# Altium PCB Control_PCB_v1.0.PcbDoc (part 2 of 2)
Units mm, origin at the board's own origin, x right, y up, seen from the top; angles counter-clockwise.
Board outline 114 x 86 mm, 4 copper layers (Top Layer, Internal Plane 1, Internal Plane 2, Bottom Layer), stack 1.572 mm thick; 154 components, 155 nets, 637 pads, 254 vias.
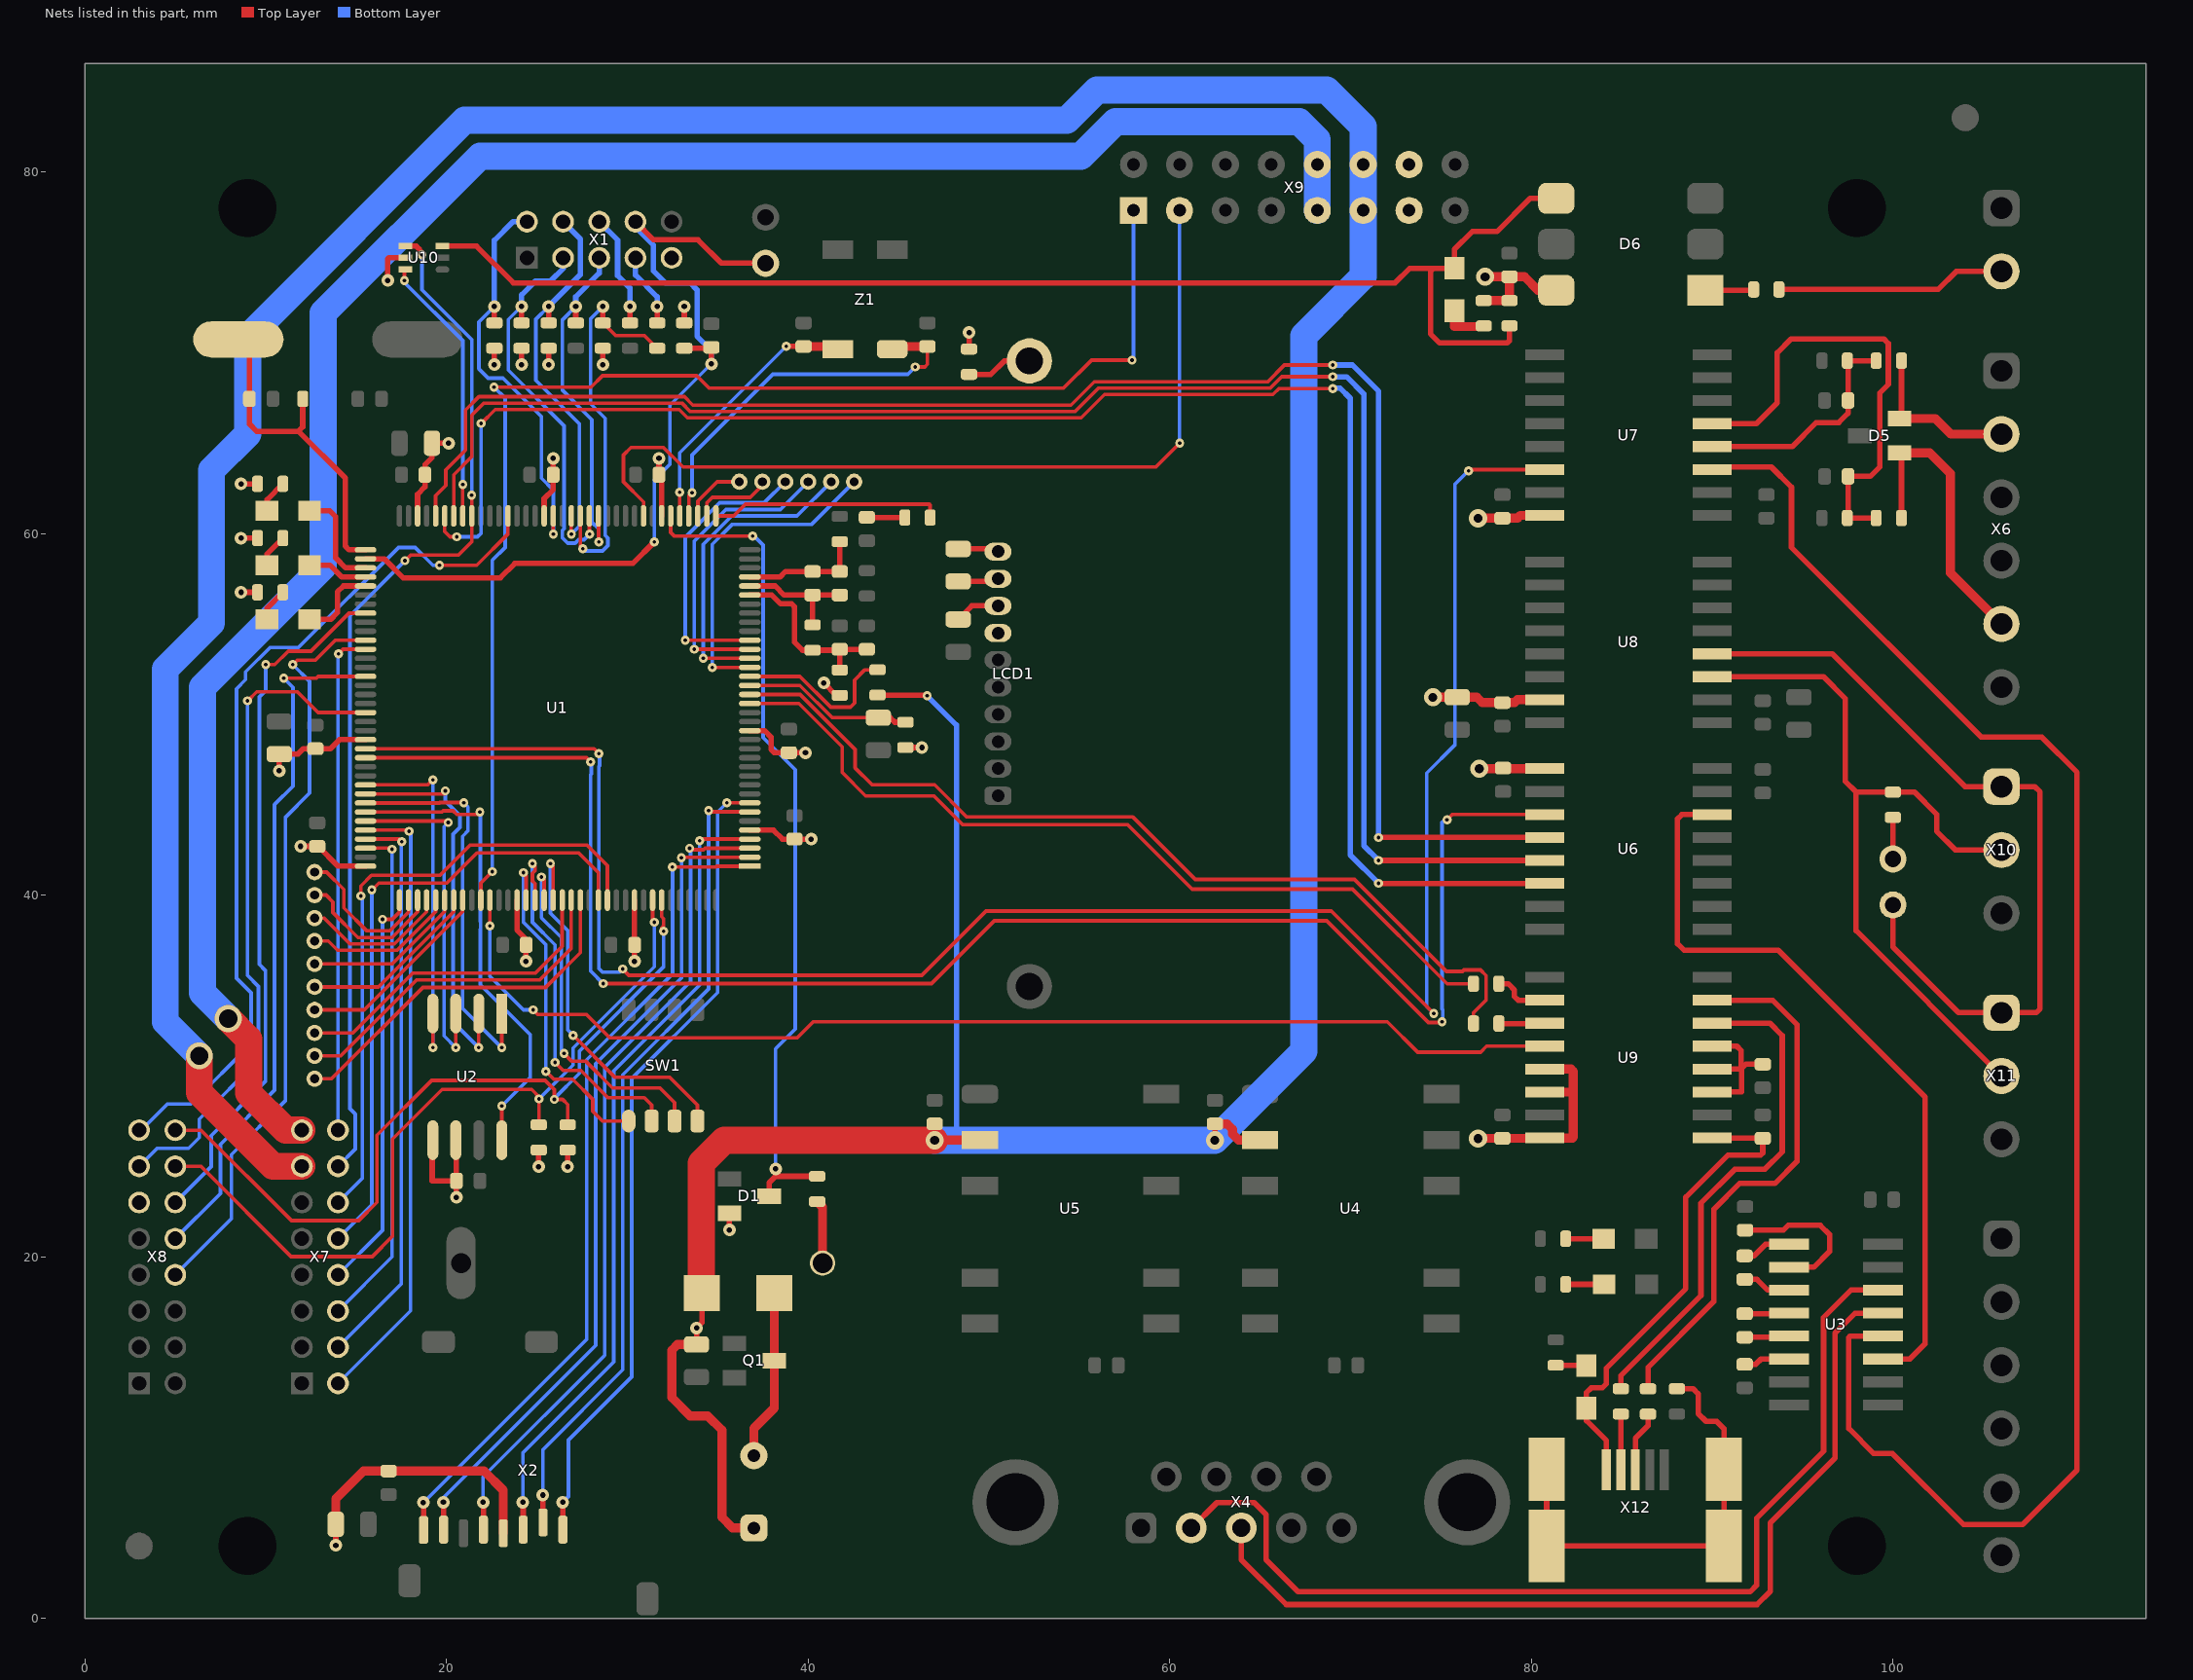
[diagram p4: the nets of this part, all layers, seen from the top]

## Via types
v1: diameter 0.5, hole 0.2, Top Layer to Bottom Layer, tented both sides, 122 vias
v2: diameter 0.7, hole 0.3, Top Layer to Bottom Layer, tented both sides, 100 vias
v3: diameter 1, hole 0.5, Top Layer to Bottom Layer, tented both sides, 14 vias
v4: diameter 0.9, hole 0.5, Top Layer to Bottom Layer, tented both sides, 8 vias
v5: diameter 1.5, hole 1, Top Layer to Bottom Layer, tented both sides, 6 vias
v6: diameter 1.5, hole 1, Top Layer to Bottom Layer, 4 vias

## Nets (pads, with @x,y where several pads share a name; then routed paths per layer and width w, separated by ;. In a path a pad name is that pad's centre, name@x,y a point inside that pad or via, vN(x,y) a via of type N, cw(c..) or ccw(c..) an arc to the next point about the centre after c; other vN are vias at no path point) (continued)
JTAG_TCLK: R11.1 U1.50 X1.5 | length 19.9
  Top Layer w0.2: R11.1@27.15,71.509 R11.1@27.15,71.65 ; U1.50@28.4,60.975 28.415,60.96 28.415,59.546 v1(28.423,59.538)
  Top Layer w0.3: R11.1@27.15,71.65 v2(27.15,72.564)
  Bottom Layer w0.2: v2(27.15,72.564) 26.416,71.83 26.416,67.92 28.042,66.294 28.042,60.63 28.423,60.249 v1(28.423,59.538)
  Bottom Layer w0.3: v2(27.15,72.564) 27.15,73.099 28.45,74.399 X1.5@28.45,75.25
JTAG_TDI: R5.2 U1.51 X1.3 | length 22.3
  Top Layer w0.2: U1.51@27.9,60.975 27.9,59.977 27.908,59.969 v1(27.915,59.969)
  Top Layer w0.3: R5.2@24.15,71.65 v2(24.15,72.564)
  Bottom Layer w0.2: v2(24.15,72.564) 23.419,71.833 23.419,69.037 26.5,65.956 26.5,60.269 26.408,60.177 26.408,59.762 26.701,59.469 27.115,59.469 27.302,59.657 27.602,59.657 v1(27.915,59.969)
  Bottom Layer w0.3: v2(24.15,72.564) 24.15,73.197 24.917,73.965 25.756,73.965 26.45,74.659 X1.3@26.45,75.25
JTAG_TDO: R3.1 R9.2 U1.52 | length 21.8
  Top Layer w0.2: U1.52@27.4,60.975 27.408,60.967 27.408,59.282 v1(27.534,59.157) ; R9.2@28.65,71.65 29.35,70.95 30.95,70.95 R3.1@31.65,70.25
  Top Layer w0.3: R9.2@28.65,71.65 v2(28.65,72.564)
  Bottom Layer w0.2: v1(27.534,59.157) 27.653,59.038 28.63,59.038 28.923,59.33 28.923,59.745 28.773,59.895 28.773,66.376 27.965,67.183 27.965,71.879 v2(28.65,72.564)
JTAG_TMS: R7.2 U1.53 X1.4 | length 21.8
  Top Layer w0.2: U1.53@26.9,60.975 26.9,59.977 v1(26.908,59.969)
  Top Layer w0.3: R7.2@25.65,71.65 v2(25.65,72.564)
  Bottom Layer w0.2: v2(25.65,72.564) 24.943,71.857 24.943,68.478 27.356,66.065 27.356,60.417 v1(26.908,59.969)
  Bottom Layer w0.3: v2(25.65,72.564) 27.407,74.321 27.407,76.293 X1.4@26.45,77.25
JTAG_TRST: R2.2 U1.55 X1.2 | length 22.9
  Top Layer w0.2: U1.55@25.9,60.975 25.9,59.977 v1(25.908,59.969)
  Top Layer w0.3: R2.2@22.65,71.65 v2(22.65,72.564)
  Bottom Layer w0.2: v2(22.65,72.564) 21.793,71.707 21.793,69.113 22.309,68.597 23.122,68.597 25.248,66.472 25.248,63.068 25.908,62.408 v1(25.908,59.969)
  Bottom Layer w0.3: v2(22.65,72.564) 22.65,76.219 23.681,77.25 X1.2@24.45,77.25
NetB1_2: B1.2 R1.2 | length 3.5
  Top Layer w0.5: R1.2@40.5,23.05 40.8,22.75 B1.2@40.8,19.65
NetBZ1_2: BZ1.2 Q1.3 VD1.A | length 9.5
  Top Layer w0.5: BZ1.2@37,9 37,10.508 38.127,11.635 Q1.3@38.127,14.25 VD1.A@38.127,18
NetC5_1: C5.1 C10.1 L1.2 L2.1 U1.31 | length 10.1
  Top Layer w0.3: U1.31@36.775,56.6 37.99,56.6 38.481,56.109 39.091,56.109 39.243,55.956 39.243,54 39.693,53.55 L2.1@40.25,53.55 41.7,53.55 C10.1@41.75,53.6 ; L1.2@41.75,52.45 C10.1@41.75,53.6 ; C5.1@43.25,53.6 C10.1@41.75,53.6
NetC6_1: C6.1 C11.1 L3.2 U1.33 | length 6.7
  Top Layer w0.3: U1.33@36.775,57.6 38.448,57.6 38.748,57.9 C11.1@40.25,57.9 C6.1@41.75,57.9 L3.2@41.75,59.55
NetC6_2: C6.2 C11.2 L2.2 U1.32 | length 6.8
  Top Layer w0.3: U1.32@36.775,57.1 38.175,57.1 38.675,56.6 C11.2@40.25,56.6 ; L2.2@40.25,54.95 C11.2@40.25,56.6 ; C6.2@41.75,56.6 C11.2@40.25,56.6
NetC7_1: C7.1 R10.1 | length 2.1
  Top Layer w0.3: C7.1@43.25,60.9 43.266,60.884 R10.1@45.35,60.884
NetC8_1: C8.1 U1.40 Z1.1 | length 21.5
  Top Layer w0.2: U1.40@33.4,60.975 33.4,62.077 v1(33.579,62.255) ; v1(45.923,69.215) 46.457,69.215 46.6,69.358 C8.1@46.6,70.35
  Top Layer w0.5: Z1.1@44.65,70.2 44.8,70.35 C8.1@46.6,70.35
  Bottom Layer w0.2: v1(33.579,62.255) 33.579,64.338 38.049,68.809 45.517,68.809 v1(45.923,69.215)
NetC9_1: C9.1 U1.41 Z1.4 | length 14.8
  Top Layer w0.2: v1(32.893,62.281) 32.893,60.982 U1.41@32.9,60.975
  Top Layer w0.3: v1(38.786,70.358) 38.794,70.35 C9.1@39.75,70.35
  Top Layer w0.5: C9.1@39.75,70.35 41.5,70.35 Z1.4@41.65,70.2
  Bottom Layer w0.2: v1(32.893,62.281) 32.893,64.465 v1(38.786,70.358)
NetC12_1: C12.1 R6.1 U1.21 | length 9.5
  Top Layer w0.2: U1.21@36.775,51.6 39.548,51.6 41.331,49.816 C12.1@43.884,49.816
  Top Layer w0.3: C12.1@43.884,49.816 44.545,49.816 44.795,49.566 R6.1@45.384,49.566
NetC28_2: C28.2 R21.1 R23.2 U7.5 | length 26.3
  Top Layer w0.3: U7.5@90,66.08 92.445,66.08 93.599,67.234 93.599,70.002 94.361,70.764 99.492,70.764 99.746,70.51 99.746,68.25 99.263,67.767 99.263,63.678 98.747,63.161 C28.2@97.518,63.161 97.518,60.906 R23.2@97.473,60.861 R21.1@99.073,60.861
NetC29_2: C29.2 R20.1 R24.2 U7.4 | length 12.8
  Top Layer w0.3: U7.4@90,64.81 94.426,64.81 95.758,66.142 97.003,66.142 97.518,66.657 C29.2@97.518,67.361 97.518,69.516 R24.2@97.473,69.561 R20.1@99.073,69.561
NetC30_1: C30.1 U3.2 | length 8.5
  Top Layer w0.3: C30.1@91.821,21.473 93.94,21.473 94.209,21.742 95.987,21.742 96.495,21.234 96.495,20.295 95.625,19.425 U3.2@94.25,19.425
NetC31_2: C31.2 U3.6 | length 2.6
  Top Layer w0.3: C31.2@91.8,14.05 92.409,14.05 92.704,14.345 U3.6@94.25,14.345
NetC33_1: C33.1 U3.3 | length 2.7
  Top Layer w0.3: C33.1@91.8,18.75 92.477,18.75 93.072,18.155 U3.3@94.25,18.155
NetC33_2: C33.2 U3.1 | length 2.7
  Top Layer w0.3: C33.2@91.8,20.05 92.313,20.05 92.958,20.695 U3.1@94.25,20.695
NetC34_1: C34.1 U3.5 | length 2.4
  Top Layer w0.3: C34.1@91.8,15.55 U3.5@94.185,15.55
NetC34_2: C34.2 U3.4 | length 2.5
  Top Layer w0.3: C34.2@91.8,16.85 94.215,16.85 U3.4@94.25,16.885
NetC47_2: C47.2 LCD1.8 | length 2.5
  Top Layer w0.3: C47.2@48.3,55.25 49.05,56 LCD1.8@50.5,56
NetC48_1: C48.1 LCD1.9 | length 2.3
  Top Layer w0.3: C48.1@48.3,57.35 50.35,57.35 LCD1.9@50.5,57.5
NetC48_2: C48.2 LCD1.10 | length 2.3
  Top Layer w0.3: C48.2@48.3,59.15 50.35,59.15 LCD1.10@50.5,59
NetC50_1: C50.1 D10.1 U9.1 X12.1 | length 27
  Top Layer w0.3: X12.1@84.15,8.225 84.15,9.83 83.05,10.93 D10.1@83.05,11.625 83.05,12.489 83.312,12.751 83.922,12.751 84.15,12.979 84.15,13.843 88.544,18.237 88.544,23.292 90.881,25.629 92.685,25.629 92.8,25.744 C50.1@92.8,26.55 92.78,26.57 U9.1@90,26.57
NetC51_1: C51.1 U9.3 U9.4 U9.5 | length 8.5
  Top Layer w0.3: U9.3@90,29.11 91.619,29.11 91.619,30.355 91.594,30.38 ; U9.4@90,30.38 91.594,30.38 ; U9.5@90,31.65 91.362,31.65 91.594,31.418 91.594,30.38 ; C51.1@92.8,30.65 91.864,30.65 91.594,30.38
NetD1_3: D1.3 R1.1 U1.42 | length 46
  Top Layer w0.2: U1.42@32.4,60.975 32.4,60.056 32.588,59.868 v1(36.932,59.868)
  Top Layer w0.3: D1.3@37.85,23.35 37.85,24.1 38.2,24.45 38.2,24.865 v2(38.202,24.867) ; 38.202,24.45 R1.1@40.5,24.45
  Bottom Layer w0.2: v1(36.932,59.868) 37.008,59.868 37.516,59.36 37.516,48.717 39.294,46.939 39.294,32.588 38.202,31.496 v2(38.202,24.867)
NetD2_1: D2.1 R16.2 | length 1.9
  Top Layer w0.3: D2.1@10.075,61.25 10.075,61.875 R16.2@10.95,62.75
NetD2_2: D2.2 U1.75 | length 5.7
  Top Layer w0.3: D2.2@12.425,61.25 13.553,61.25 13.868,60.935 13.868,58.649 14.417,58.1 U1.75@15.525,58.1
NetD3_1: D3.1 R17.2 | length 1.9
  Top Layer w0.3: D3.1@10.075,58.25 10.075,58.875 R17.2@10.95,59.75
NetD3_2: D3.2 U1.76 | length 3.4
  Top Layer w0.3: D3.2@12.425,58.25 13.556,58.25 14.206,57.6 U1.76@15.525,57.6
NetD4_1: D4.1 R18.2 | length 1.9
  Top Layer w0.3: D4.1@10.075,55.25 10.075,55.875 R18.2@10.95,56.75
NetD4_2: D4.2 U1.77 | length 4.5
  Top Layer w0.3: D4.2@12.425,55.25 13.594,55.25 13.97,55.626 13.97,56.769 14.301,57.1 U1.77@15.525,57.1
NetD5_1: D5.1 R21.2 X6.5 | length 16.4
  Top Layer w0.3: D5.1@100.373,64.461 100.473,64.361 R21.2@100.473,60.861
  Top Layer w0.5: D5.1@100.373,64.461 102.036,64.461 103.175,63.322 103.175,57.825 X6.5@106,55
NetD5_2: D5.2 R20.2 X6.2 | length 9.2
  Top Layer w0.3: D5.2@100.373,66.361 100.473,66.461 R20.2@100.473,69.561
  Top Layer w0.5: D5.2@100.373,66.361 102.346,66.361 103.207,65.5 X6.2@106,65.5
NetD6_1: D6.1 R19.1 | length 2.7
  Top Layer w0.3: D6.1@89.625,73.46 92.26,73.46 R19.1@92.3,73.5
NetD6_4: D6.4 D9.2 R26.2 U10.3 | length 74.2
  Top Layer w0.3: U10.3@19.775,75.9 21.661,75.9 23.698,73.863 72.466,73.863 73.278,74.675 74.599,74.675 ; R26.2@78.791,71.487 78.791,70.663 78.664,70.536 74.93,70.536 74.422,71.044 74.422,74.498 74.599,74.675 ; D6.4@81.375,78.54 79.937,78.54 78.105,76.708 76.733,76.708 75.75,75.725 D9.2@75.75,74.675 74.599,74.675
NetD7_2: D7.2 R22.2 | length 2.1
  Top Layer w0.3: R22.2@81.903,18.475 D7.2@84.028,18.475
NetD8_2: D8.2 R25.2 | length 2.2
  Top Layer w0.3: R25.2@81.778,21 D8.2@84.003,21
NetD9_1: D9.1 R27.2 | length 2.5
  Top Layer w0.5: D9.1@75.75,72.325 75.75,71.443 77.325,71.443 R27.2@77.368,71.487
NetD10_2: D10.2 R34.2 | length 1.7
  Top Layer w0.3: R34.2@81.35,14 83.025,14 D10.2@83.05,13.975
NetJ2_1: J2.1 R33.1 | length 2.3
  Top Layer w0.3: J2.1@100,42 R33.1@100,44.3
NetJ2_2: J2.2 U8.12 X10.1 X11.1 | length 45.4
  Top Layer w0.3: U8.12@90,53.35 96.637,53.35 103.987,46 X10.1@106,46 107.848,46 108.134,45.714 108.134,33.712 107.922,33.5 X11.1@106,33.5 103.635,33.5 100,37.135 J2.2@100,39.46
NetL5_2: L5.2 X12.S1 X12.S2 X12.S3 X12.S4 | length 24.7
  Top Layer w0.3: X12.S1@80.85,8.25 X12.S2@80.85,4 X12.S3@90.65,4 X12.S4@90.65,8.25 90.65,10.493 90.246,10.897 89.662,10.897 89.23,11.328 89.23,12.421 88.951,12.7 L5.2@88.05,12.7
NetLCD1_11: LCD1.11 R32.1 | length 3.6
  Top Layer w0.3: R32.1@48.9,68.8 50.106,68.8 50.856,69.55 LCD1.11@52.238,69.55
NetR3_2: R3.2 X1.7 | length 4.1
  Top Layer w0.3: R3.2@31.65,71.65 v2(31.65,72.564)
  Bottom Layer w0.3: X1.7@30.45,75.25 30.45,74.3 31.65,73.1 v2(31.65,72.564)
NetR8_1: R8.1 X1.6 | length 6.3
  Top Layer w0.3: R8.1@30.15,71.65 v2(30.15,72.564)
  Bottom Layer w0.3: X1.6@28.45,77.25 29.464,76.236 29.464,74.27 30.15,73.584 v2(30.15,72.564)
NetR10_2: R10.2 U1.37 | length 12.8
  Top Layer w0.2: U1.37@34.9,60.975 35.88,60.975 36.525,61.62 46.711,61.62 46.75,61.581 R10.2@46.75,60.884
NetR12_1: R12.1 U1.22 | length 9.4
  Top Layer w0.2: U1.22@36.775,52.1 39.543,52.1 41.249,50.394 42.342,50.394 42.57,50.622 42.57,51.892 43.143,52.465 R12.1@43.84,52.465
NetR19_2: R19.2 X3.2 | length 12.7
  Top Layer w0.3: R19.2@93.7,73.5 102.5,73.5 103.5,74.5 X3.2@106,74.5
NetR28_1: R28.1 U9.11 | length 2.5
  Top Layer w0.3: R28.1@78.2,32.9 U9.11@80.73,32.9
NetR29_2: R29.2 U9.10 | length 3.1
  Top Layer w0.3: R29.2@78.2,35.1 78.717,35.1 79.07,34.747 79.07,34.392 79.272,34.19 U9.10@80.75,34.19
NetR30_1: R30.1 X12.2 | length 3.1
  Top Layer w0.3: X12.2@84.95,8.225 R30.1@84.95,11.3
NetR30_2: R30.2 U9.6 | length 28.4
  Top Layer w0.3: R30.2@84.95,12.7 84.95,13.424 89.383,17.856 89.383,22.962 91.262,24.841 92.913,24.841 93.878,25.806 93.878,32.233 93.191,32.92 U9.6@90,32.92
NetR31_1: R31.1 U9.7 | length 30
  Top Layer w0.3: R31.1@86.45,12.7 86.45,13.882 90.094,17.526 90.094,22.631 91.516,24.054 93.472,24.054 94.691,25.273 94.691,32.842 93.343,34.19 U9.7@90,34.19
NetR31_2: R31.2 X12.3 | length 3.4
  Top Layer w0.3: X12.3@85.75,8.225 85.75,9.956 86.45,10.656 R31.2@86.45,11.3
NetR33_2: R33.2 U8.11 X10.2 X11.2 | length 42.2
  Top Layer w0.3: U8.11@90,52.08 96.154,52.08 97.358,50.876 97.358,46.304 97.962,45.7 ; X11.2@106,30 97.962,38.038 97.962,45.7 ; X10.2@106,42.5 103.448,42.5 102.413,43.536 102.413,44.475 101.188,45.7 R33.2@100,45.7 97.962,45.7
NetSW1_1: SW1.1 U1.123 | length 19.2
  Top Layer w0.2: v1(24.25,41.25) 24.4,41.1 U1.123@24.4,39.725 ; v1(25.5,30.25) 25.93,29.82 26.975,29.82 28.092,28.702 28.092,28.042 28.627,27.507 SW1.1@30.074,27.507
  Bottom Layer w0.2: v1(24.25,41.25) 24.25,38.5 25.5,37.25 v1(25.5,30.25)
NetSW1_2: SW1.2 U1.124 | length 20.9
  Top Layer w0.2: v1(24.75,41.75) 24.9,41.6 24.9,41.357 24.75,41.207 24.75,40.793 24.9,40.643 U1.124@24.9,39.725 ; v1(26,30.75) 26.448,30.302 27.432,30.302 28.931,28.804 30.937,28.804 31.344,28.397 SW1.2@31.344,27.507
  Bottom Layer w0.2: v1(24.75,41.75) 24.75,38.5 26,37.25 v1(26,30.75)
NetSW1_3: SW1.3 U1.125 | length 19.9
  Top Layer w0.2: v1(25.25,41) 25.4,40.85 U1.125@25.4,39.725 ; v1(26.5,31.25) 26.94,30.81 27.711,30.81 29.185,29.337 31.801,29.337 32.614,28.524 SW1.3@32.614,27.507
  Bottom Layer w0.2: v1(25.25,41) 25.25,38.75 26.351,37.649 26.351,31.399 v1(26.5,31.25)
NetSW1_4: SW1.4 U1.126 | length 21.5
  Top Layer w0.2: v1(25.75,41.75) 25.9,41.6 U1.126@25.9,39.725 ; v1(27,32.25) 29.329,29.921 32.36,29.921 33.884,28.397 SW1.4@33.884,27.507
  Bottom Layer w0.2: v1(25.75,41.75) 25.75,39 26.701,38.049 26.701,32.549 v1(27,32.25)
NetTP1_1: TP1.1 U1.110 | length 8.2
  Top Layer w0.2: TP1.1@12.7,41.275 13.365,41.275 14.32,40.32 14.32,39.299 15.596,38.024 16.854,38.024 17.9,39.07 U1.110@17.9,39.725
NetTP2_1: TP2.1 U1.111 | length 8.3
  Top Layer w0.2: TP2.1@12.7,40.005 13.335,40.005 13.716,39.624 13.716,39.04 15.099,37.657 16.982,37.657 18.4,39.075 U1.111@18.4,39.725
NetTP3_1: TP3.1 U1.112 | length 8.2
  Top Layer w0.2: TP3.1@12.7,38.735 13.233,38.735 14.661,37.307 17.127,37.307 18.9,39.08 U1.112@18.9,39.725
NetTP4_1: TP4.1 U1.113 | length 8.4
  Top Layer w0.2: TP4.1@12.7,37.465 13.462,37.465 13.97,36.957 17.272,36.957 19.4,39.085 U1.113@19.4,39.725
NetTP5_1: TP5.1 U1.114 | length 9
  Top Layer w0.2: TP5.1@12.7,36.195 17.005,36.195 19.9,39.09 U1.114@19.9,39.725
NetTP6_1: TP6.1 U1.115 | length 10.1
  Top Layer w0.2: TP6.1@12.7,34.925 16.23,34.925 20.4,39.095 U1.115@20.4,39.725
NetTP7_1: TP7.1 U1.116 | length 11.1
  Top Layer w0.2: TP7.1@12.7,33.655 15.455,33.655 20.887,39.087 U1.116@20.887,39.712
NetTP8_1: TP8.1 U1.38 | length 4.4
  Top Layer w0.2: U1.38@34.4,60.975 34.4,61.7 34.7,62 36.8,62 37.465,62.665 TP8.1@37.465,62.865
NetTP9_1: TP9.1 U1.39 | length 3.6
  Top Layer w0.2: U1.39@33.9,60.975 33.9,61.8 34.965,62.865 TP9.1@36.195,62.865
NetTP10_1: TP10.1 U1.127 | length 18.2
  Top Layer w0.2: TP10.1@12.7,32.385 14.834,32.385 18.136,35.687 24.917,35.687 26.4,37.17 U1.127@26.4,39.725
NetTP11_1: TP11.1 U1.128 | length 19.3
  Top Layer w0.2: TP11.1@12.7,31.115 14.148,31.115 18.339,35.306 25.146,35.306 26.9,37.06 U1.128@26.9,39.725
NetTP12_1: TP12.1 U1.129 | length 20.5
  Top Layer w0.2: TP12.1@12.7,29.845 13.64,29.845 18.694,34.9 25.476,34.9 27.4,36.823 U1.129@27.4,39.725
NetTP13_1: TP13.1 U1.23 | length 18.2
  Top Layer w0.2: v1(34.7,52.6) U1.23@36.775,52.6
  Bottom Layer w0.2: v1(34.7,52.6) 34.7,59.407 35.793,60.5 40.18,60.5 TP13.1@42.545,62.865
NetTP14_1: TP14.1 U1.24 | length 17.4
  Top Layer w0.2: v1(34.2,53.1) U1.24@36.775,53.1
  Bottom Layer w0.2: v1(34.2,53.1) 34.2,59.402 35.773,60.975 39.385,60.975 TP14.1@41.275,62.865
NetTP15_1: TP15.1 U1.25 | length 16.7
  Top Layer w0.2: v1(33.7,53.6) U1.25@36.775,53.6
  Bottom Layer w0.2: v1(33.7,53.6) 33.7,59.575 35.45,61.325 38.465,61.325 TP15.1@40.005,62.865
NetTP16_1: TP16.1 U1.26 | length 16.1
  Top Layer w0.2: v1(33.2,54.1) U1.26@36.775,54.1
  Bottom Layer w0.2: v1(33.2,54.1) 33.2,59.8 35.1,61.7 37.57,61.7 TP16.1@38.735,62.865
NetU3_11: U3.11 U6.14 | length 42.4
  Top Layer w0.3: U6.14@90,44.46 88.326,44.46 88.087,44.221 88.087,37.313 88.443,36.957 93.65,36.957 101.778,28.829 101.778,15.189 100.934,14.345 U3.11@99.45,14.345
NetU3_12: U3.12 U7.3 | length 90.8
  Top Layer w0.3: U7.3@90,63.54 90.142,63.682 93.269,63.682 94.386,62.565 94.386,59.233 104.877,48.743 108.229,48.743 110.185,46.787 110.185,8.204 107.163,5.182 103.911,5.182 99.974,9.119 98.933,9.119 97.554,10.497 97.554,15.538 97.632,15.615 U3.12@99.45,15.615
NetU3_13: U3.13 X4.3 | length 51.2
  Top Layer w0.3: X4.3@63.96,5 63.96,3.248 66.446,0.762 92.481,0.762 93.218,1.499 93.218,5.283 96.799,8.865 96.799,15.773 97.911,16.885 U3.13@99.45,16.885
NetU3_14: U3.14 X4.2 | length 55.8
  Top Layer w0.3: X4.2@61.19,5 61.21,5 62.611,6.401 64.668,6.401 65.329,5.74 65.329,3.251 67.107,1.473 92.1,1.473 92.456,1.829 92.456,5.537 96.164,9.246 96.164,16.637 97.682,18.155 U3.14@99.45,18.155
NTC_BYPASS: U1.118 X9.1 | length 74
  Top Layer w0.2: U1.118@21.9,39.725 21.9,40.671 v1(22.53,41.3) ; v1(22.631,68.097) 27.991,68.097 28.626,68.732 33.833,68.732 34.515,68.05 54.131,68.05 55.677,69.596 v1(57.912,69.596)
  Bottom Layer w0.2: v1(22.53,41.3) 22.53,58.522 23.241,59.233 23.241,67.488 v1(22.631,68.097) ; v1(57.912,69.596) 58,69.684 X9.1@58,77.87
OUT1: U1.68 U6.4 | length 92.9
  Top Layer w0.2: U1.68@19.4,60.975 19.4,62.097 19.964,62.662 19.964,63.525 21.057,64.618 21.057,66.827 21.798,67.569 33.16,67.569 33.622,67.107 54.534,67.107 55.826,68.399 65.421,68.399 66.343,69.321 v1(69.012,69.321)
  Top Layer w0.3: v1(71.552,43.19) U6.4@80.75,43.19
  Bottom Layer w0.3: v1(69.012,69.321) 70.099,69.321 71.552,67.869 v1(71.552,43.19)
OUT2: U1.66 U6.5 | length 92.3
  Top Layer w0.2: U1.66@20.4,60.975 20.4,63.25 21.407,64.256 21.407,66.542 22.081,67.216 33.014,67.216 33.476,66.754 54.766,66.754 56.058,68.046 65.567,68.046 66.192,68.671 v1(69.012,68.671)
  Top Layer w0.3: v1(71.552,41.92) U6.5@80.75,41.92
  Bottom Layer w0.3: v1(69.012,68.671) 69.784,68.671 70.739,67.716 70.739,42.733 v1(71.552,41.92)
OUT3: U1.67 U6.6 | length 95.3
  Top Layer w0.2: U1.67@19.9,60.975 19.9,60.11 20.193,59.817 v1(20.574,59.817) ; v1(21.92,66.091) 22.693,66.864 32.868,66.864 33.33,66.402 55.099,66.402 56.391,67.694 65.713,67.694 66.04,68.021 v1(69.012,68.021)
  Top Layer w0.3: v1(71.552,40.65) U6.6@80.75,40.65
  Bottom Layer w0.2: v1(20.574,59.817) 21.717,59.817 21.92,60.02 v1(21.92,66.091)
  Bottom Layer w0.3: v1(69.012,68.021) 69.037,68.047 69.418,68.047 69.987,67.478 69.987,42.215 v1(71.552,40.65)
PWM_EN: U1.65 U10.6 | length 15
  Top Layer w0.2: v1(17.678,73.99) 17.678,74.553 U10.6@17.725,74.6 ; U1.65@20.9,60.975 20.887,60.988 20.887,62.695 v1(20.904,62.713)
  Bottom Layer w0.2: v1(17.678,73.99) 17.678,73.889 20.904,70.663 v1(20.904,62.713)
PWM_OE: U1.64 U10.4 X7.14 | length 57.7
  Top Layer w0.2: v1(17.704,58.496) 18.017,58.809 20.658,58.809 21.4,59.551 U1.64@21.4,60.975 21.4,62.115 v1(21.387,62.128) ; 18.492,75.739 18.644,75.588 v1(18.644,75.413)
  Top Layer w0.3: U10.4@17.725,75.9 18.332,75.9 18.492,75.739
  Bottom Layer w0.2: X7.14@14,25 14.961,25.961 14.961,27.889 14.656,28.194 14.656,55.448 v1(17.704,58.496) ; v1(18.644,75.413) 18.644,73.482 21.404,70.722 21.404,62.146 v1(21.387,62.128)
RESET: C4.1 J1.1 R4.2 U1.74 X1.8 | length 49.4
  Top Layer w0.3: U1.74@15.525,58.6 16.559,58.6 17.602,57.556 22.987,57.556 23.774,58.344 30.302,58.344 v1(31.496,59.538) ; X1.8@30.45,77.25 31.449,76.251 33.909,76.251 35.21,74.95 J1.1@37.65,74.95 ; R4.2@33.15,70.25 34.6,70.25 C4.1@34.65,70.3 v2(34.65,69.386)
  Bottom Layer w0.2: v1(31.496,59.538) 31.496,62.971 32.36,63.835 32.36,67.096 v2(34.65,69.386)
  Bottom Layer w0.3: X1.8@30.45,77.25 30.45,76.941 31.445,75.946 31.445,74.524 32.106,73.863 33.477,73.863 33.858,73.482 33.858,70.917 34.65,70.125 v2(34.65,69.386)
SCL: R14.2 U1.137 X8.14 | length 44.4
  Top Layer w0.2: X8.14@5,25 6.42,25 11.405,20.015 15.9,20.015 17.018,21.133 17.018,26.507 19.761,29.25 24.714,29.25 v1@25.121,28.844 ; R14.2@25.1,27.3 25.121,27.321 v1(25.121,28.727) ; U1.137@31.4,39.725 31.4,38.6 v1(31.5,38.5)
  Bottom Layer w0.2: v1(25.121,28.727) 27,30.607 27,31.543 31.5,36.043 v1(31.5,38.5)
SD_CLK: U1.3 X2.5 | length 45.9
  Top Layer w0.2: v1(33.452,42.596) 33.535,42.513 34.207,42.513 34.29,42.596 36.771,42.596 U1.3@36.775,42.6
  Top Layer w0.3: X2.5@22.041,4.909 v2@22.041,6.407
  Bottom Layer w0.2: v2(22.026,6.421) 22.026,7.828 28.75,14.551 28.75,30.481 33.5,35.231 33.5,42.598 33.454,42.598 v1(33.452,42.596)
SD_CMD: U1.4 X2.3 | length 44.9
  Top Layer w0.2: v1(34,43.013) 34.087,43.1 U1.4@36.775,43.1
  Top Layer w0.3: X2.3@24.241,4.909 v2@24.241,6.407
  Bottom Layer w0.2: v2(24.226,6.421) 24.226,9.164 29.25,14.188 29.25,30.274 34,35.024 v1(34,43.013)
SD_D0: U1.2 X2.7 | length 46.4
  Top Layer w0.2: v1(32.995,42.062) 33.028,42.096 36.771,42.096 U1.2@36.737,42.062
  Top Layer w0.3: X2.7@19.841,4.909 v2@19.841,6.407
  Bottom Layer w0.2: v2(19.826,6.421) 19.826,6.669 28.25,15.093 28.25,30.688 33,35.438 33,42.057 v1(32.995,42.062)
SD_D1: U1.1 X2.8 | length 46.7
  Top Layer w0.2: v1(32.488,41.554) 34.9,41.554 34.945,41.6 U1.1@36.775,41.6
  Top Layer w0.3: v2(18.72,6.405) 18.735,6.39 X2.8@18.735,4.893
  Bottom Layer w0.2: v2(18.72,6.405) 27.75,15.435 27.75,30.895 32.5,35.645 32.5,41.542 v1(32.488,41.554)
SD_D2: U1.8 X2.1 | length 45.2
  Top Layer w0.2: v1(35.509,45.11) 36.765,45.11 U1.8@36.775,45.1
  Top Layer w0.3: X2.1@26.441,4.909 v2@26.441,6.407
  Bottom Layer w0.2: v2(26.426,6.421) 26.75,6.745 26.75,9.859 30.25,13.359 30.25,29.859 35,34.609 35,44.601 v1(35.509,45.11)
SD_D3: U1.7 X2.2 | length 45.5
  Top Layer w0.2: v1(34.493,44.679) 34.561,44.61 36.765,44.61 U1.7@36.775,44.6
  Top Layer w0.3: X2.2@25.341,5.309 v2@25.341,6.807
  Bottom Layer w0.2: v2(25.326,6.821) 25.326,9.326 29.75,13.75 29.75,30.066 34.5,34.816 34.5,44.672 v1(34.493,44.679)
SDA: R15.2 U1.138 X8.16 | length 44.8
  Top Layer w0.2: X8.16@5,27 6.426,27 11.43,21.996 15.138,21.996 16.154,23.012 16.154,26.727 19.177,29.75 25.451,29.75 25.959,29.242 v1(25.959,28.702) 26.416,28.702 26.7,28.418 R15.2@26.7,27.3 ; U1.138@31.9,39.725 31.9,38.807 32,38.707 32,38.293 31.9,38.193 31.9,38.1 v1(32,38)
  Bottom Layer w0.2: v1(25.959,28.702) 25.959,28.759 27.35,30.15 27.35,31.375 32,36.025 v1(32,38)
SPI2_CLK: U1.100 U2.2 | length 21.7
  Top Layer w0.2: U1.100@15.525,45.6 19.921,45.6 19.939,45.618 v1(19.939,45.771) ; v1(21.785,31.564) U2.2@21.785,33.45
  Bottom Layer w0.2: v1(19.939,45.771) 19.939,45.207 20.741,44.405 20.741,43.749 20.371,43.378 20.371,32.978 v1(21.785,31.564)
SPI2_CS: U1.99 U2.4 | length 20.6
  Top Layer w0.2: U1.99@15.525,46.1 18.973,46.1 v1(19.253,46.38) ; v1(19.245,31.564) U2.4@19.245,33.45
  Bottom Layer w0.2: v1(19.245,31.564) 19.245,46.372 v1(19.253,46.38)
SPI2_SIN: U1.102 U2.8 | length 26.5
  Top Layer w0.2: U1.102@15.525,44.6 15.527,44.602 19.756,44.602 19.822,44.668 20.361,44.668 20.568,44.46 21.702,44.46 v1(21.844,44.602) ; U2.8@23.055,26.45 v1(23.055,28.336)
  Bottom Layer w0.2: v1(21.844,44.602) 21.869,44.602 21.869,38.553 21.887,38.536 21.887,38.121 21.869,38.104 21.869,35.048 24.63,32.287 24.63,29.911 v1(23.055,28.336)
SPI2_SOUT: U1.101 U2.1 | length 22
  Top Layer w0.2: U1.101@15.525,45.1 19.618,45.1 19.636,45.118 20.947,45.118 v1(20.955,45.11) ; v1(23.055,31.564) U2.1@23.055,33.45
  Bottom Layer w0.2: v1(20.955,45.11) 21.191,44.874 21.191,43.563 20.887,43.258 20.887,33.732 v1(23.055,31.564)
SPI_RES: U1.103 U2.3 | length 19.3
  Top Layer w0.2: U1.103@15.525,44.1 20.01,44.1 v1(20.091,44.018) ; v1(20.515,31.564) U2.3@20.515,33.45
  Bottom Layer w0.2: v1(20.091,44.018) 19.863,43.79 19.863,32.216 v1(20.515,31.564)
T0C0: U1.104 X7.2 | length 34.7
  Top Layer w0.2: U1.104@15.525,43.6 17.868,43.6 v1(17.932,43.536)
  Bottom Layer w0.2: X7.2@14,13 18.009,17.009 18.009,38.151 18.026,38.168 18.026,43.442 v1(17.932,43.536)
T0C1: U1.105 X7.4 | length 31.5
  Top Layer w0.2: U1.105@15.525,43.1 17.377,43.1 v1(17.526,42.951)
  Bottom Layer w0.2: X7.4@14,15 17.501,18.501 17.501,42.926 v1(17.526,42.951)
T0C2: U1.106 X7.6 | length 28.3
  Top Layer w0.2: U1.106@15.525,42.6 16.938,42.6 v1(16.993,42.545)
  Bottom Layer w0.2: X7.6@14,17 16.993,19.993 v1(16.993,42.545)
T0C3: U1.109 X7.8 | length 22.4
  Top Layer w0.2: v1(16.459,38.659) 16.994,38.659 17.4,39.065 U1.109@17.4,39.725
  Bottom Layer w0.2: X7.8@14,19 16.459,21.459 v1(16.459,38.659)
T0C4: U1.131 X7.10 | length 35.4
  Top Layer w0.2: v1(15.875,40.284) 16.256,40.665 20.015,40.665 21.692,42.342 27.305,42.342 28.4,41.247 U1.131@28.4,39.725
  Bottom Layer w0.2: X7.10@14,21 15.875,22.875 v1(15.875,40.284)
T0C5: U1.132 X7.12 | length 35.1
  Top Layer w0.2: v1(15.265,39.954) 15.265,40.513 15.85,41.097 19.634,41.097 21.311,42.774 27.762,42.774 28.9,41.636 U1.132@28.9,39.725
  Bottom Layer w0.2: X7.12@14,23 15.342,24.342 15.342,39.878 v1(15.265,39.954)
TOS1: U1.91 X8.13 | length 37
  Top Layer w0.2: v1(9,50.75) 9.5,51.25 11.75,51.25 12.9,50.1 U1.91@15.525,50.1
  Bottom Layer w0.2: X8.13@3,25 4,26 5.731,26 6.325,26.594 6.325,27.61 9.601,30.886 9.601,34.95 9,35.552 v1(9,50.75)
UART_RX: U1.95 U7.14 | length 110.6
  Top Layer w0.2: U1.95@15.525,48.1 28.165,48.1 v1(28.43,47.835) ; v1(29.743,35.916) 30.086,35.573 46.292,35.573 49.835,39.116 68.936,39.116 v1(74.6,33.452) ; v1(76.53,63.475) 76.596,63.54 U7.14@80.75,63.54
  Bottom Layer w0.2: v1(28.43,47.835) 28.47,47.795 28.47,47.169 28.43,47.128 28.43,35.947 28.641,35.736 29.564,35.736 v1(29.743,35.916) ; v1(74.6,33.452) 74.219,33.833 74.219,46.749 75.768,48.298 75.768,62.713 v1(76.53,63.475)
UART_TX: U1.96 U6.3 | length 92.2
  Top Layer w0.2: U1.96@15.525,47.6 27.746,47.6 v1(27.97,47.376) ; v1(28.662,35.114) 46.823,35.114 50.292,38.583 68.682,38.583 74.312,32.952 75.019,32.952 v1(75.059,32.992) ; v1(75.336,44.171) 75.626,44.46 U6.3@80.75,44.46
  Bottom Layer w0.2: v1(27.97,47.376) 28.011,47.335 28.011,46.709 27.97,46.669 27.97,35.805 v1(28.662,35.114) ; v1(75.059,32.992) 75.1,33.033 75.1,33.659 75.059,33.699 75.059,44.016 75.214,44.171 v1(75.336,44.171)
USBCTRL: U1.119 U9.12 | length 65.2
  Top Layer w0.2: U1.119@22.4,39.725 22.4,38.306 v1(22.403,38.303) ; v1(24.79,33.655) 25.044,33.401 27.737,33.401 29.032,32.106 39.395,32.106 40.284,32.995 72.034,32.995 73.709,31.32 77.197,31.32 77.527,31.65 U9.12@80.75,31.65
  Bottom Layer w0.2: v1(22.403,38.303) 22.403,35.509 24.257,33.655 v1(24.79,33.655)
USBDN: R28.2 U1.20 | length 50.8
  Top Layer w0.2: U1.20@36.775,51.1 39.553,51.1 42.596,48.057 42.596,47.041 43.536,46.101 47.002,46.101 48.78,44.323 57.963,44.323 61.417,40.869 70.217,40.869 75.304,35.782 76.193,35.782 76.276,35.865 77.185,35.865 77.5,35.55 77.5,34.193 76.8,33.493 R28.2@76.8,32.9
USBDP: R29.1 U1.19 | length 47.3
  Top Layer w0.2: U1.19@36.775,50.6 39.494,50.6 41.885,48.209 41.885,46.787 43.18,45.491 46.965,45.491 48.565,43.891 57.683,43.891 61.239,40.335 70.104,40.335 75.339,35.1 R29.1@76.8,35.1
V5V: BZ1.1 C3.2 C41.2 C42.2 R12.2 U4.2 U5.2 VD1.K X7.13 X9.11 X9.12 | length 269.4
  Top Layer w0.3: C3.2@33.827,15.15 v2(33.827,16.064) 34.127,16.364 VD1.K@34.127,18 ; R12.2@43.84,51.065 46.547,51.065 v1(46.584,51.029) ; v3@47,26.436 C42.2@47,27.35 ; v3@62.5,26.443 C41.2@62.5,27.35
  Top Layer w0.5: C3.2@33.827,15.15 32.778,15.15 32.461,14.834 32.461,12.217 33.477,11.201 34.442,11.201 35.23,10.414 35.23,5.588 35.818,5 BZ1.1@37,5 ; v3@47,26.46 U5.2@49.5,26.46 ; C41.2@62.5,27.35 63.176,27.35 63.475,27.051 63.475,26.797 63.812,26.46 U4.2@65,26.46
  Top Layer w1.5: v5(6.325,31.115) 6.325,29.075 10.4,25 X7.13@12,25 ; VD1.K@34.127,18 34.1,18.027 34.1,25.185 35.358,26.443 v3(46.993,26.443)
  Bottom Layer w0.3: v1(46.584,51.029) 48.202,49.41 48.202,26.745 47.296,26.745 v3(46.993,26.443)
  Bottom Layer w1.5: v5(6.325,31.115) 4.445,32.995 4.445,52.5 7,55.055 7,63.5 9,65.5 9,70.855 21,82.855 54.305,82.855 55.982,84.531 68.682,84.531 70.7,82.513 X9.12@70.7,80.41 X9.11@70.7,77.87 70.7,74.231 67.412,70.942 67.412,31.361 v3(62.493,26.443) v3(46.993,26.443)
V15V: X7.15 X9.9 X9.10 | length 114.5
  Top Layer w1.5: v5(7.929,33.172) 9.051,32.051 9.051,29.049 11.1,27 X7.15@12,27
  Bottom Layer w1.5: v5(7.929,33.172) 6.502,34.599 6.502,51.502 13.176,58.176 13.176,72.194 21.856,80.874 55.093,80.874 56.998,82.779 67.158,82.779 68.16,81.776 X9.10@68.16,80.41 X9.9@68.16,77.87
V_BUS: U1.45 X9.3 | length 48.7
  Top Layer w0.2: U1.45@30.9,60.975 30.9,61.749 29.784,62.865 29.784,64.347 30.202,64.764 31.999,64.764 33.085,63.678 59.233,63.678 v1(60.554,64.999)
  Bottom Layer w0.2: X9.3@60.54,77.87 60.54,65.012 v1(60.554,64.999)
V_U: U1.80 X8.12 | length 38.8
  Top Layer w0.2: v1(10,52.75) 10.5,52.75 11.25,53.5 12.5,53.5 14.6,55.6 U1.80@15.525,55.6
  Bottom Layer w0.2: X8.12@5,23 6.985,24.985 6.985,26.695 9.982,29.693 9.982,35.839 9.65,36.172 9.65,50.97 10,51.32 v1(10,52.75)
V_V: U1.87 X8.10 | length 38.5
  Top Layer w0.2: v1(11,52) 12.8,52 12.9,52.1 U1.87@15.525,52.1
  Bottom Layer w0.2: X8.10@5,21 7.5,23.5 7.5,26.22 10.49,29.21 10.49,45.009 11.506,46.025 11.506,51.494 v1(11,52)
V_W: U1.83 X8.8 | length 41.8
  Top Layer w0.2: v1(11.5,52.75) 11.75,53 12.75,53 13.85,54.1 U1.83@15.525,54.1
  Bottom Layer w0.2: X8.8@5,19 8.103,22.103 8.103,25.654 11.1,28.651 11.1,44.323 12.421,45.644 12.421,51.829 v1(11.5,52.75)
VDDC: C1.1 C2.1 C13.2 C14.2 C15.2 C16.2 C17.2 C18.2 C19.2 C20.2 C21.2 C22.1 C23.1 C24.1 C32.2 C39.1 C40.1 C43.2 C44.1 C45.1 D1.2 D6.6 L1.1 LCD1.7 R2.1 R4.1 R5.1 R6.2 R7.1 R9.1 R14.1 R15.1 R16.1 R17.1 R18.1 R26.1 R27.1 R32.2 U1.5 U1.16 U1.43 U1.56 U1.70 U1.94 U1.108 U1.122 U1.135 U2.5 U2.6 U6.1 U7.16 U8.7 U9.13 U9.14 U9.16 U10.5 X1.9 X2.4 X8.11 X9.13 X9.14 | length 106.7
  Top Layer w0.3: v2(8.636,56.75) R18.1@9.55,56.75 ; v2(8.636,59.75) R17.1@9.55,59.75 ; v2(8.636,62.75) R16.1@9.55,62.75 ; v2(10.75,46.886) C22.1@10.75,47.8 11.783,47.8 12.083,48.1 C18.2@12.75,48.1 13.581,48.1 14.081,48.6 U1.94@15.525,48.6 ; v2(11.936,42.7) C19.2@12.85,42.7 ; C19.2@12.875,42.725 14,41.6 U1.108@15.525,41.6 ; v2(13.877,4.039) C1.1@13.877,5.207 ; v2(16.75,74) 16.75,75.189 16.811,75.25 U10.5@17.725,75.25 ; U1.70@18.4,60.975 18.4,62.171 18.811,62.582 C17.2@18.811,63.25 18.811,63.811 19.2,64.2 C23.1@19.2,65 v2(20.114,65) ; U2.5@19.245,26.45 19.209,26.414 19.209,24.2 C24.1@20.55,24.2 ; v2(20.55,23.286) C24.1@20.55,24.2 ; U2.6@20.55,26.415 C24.1@20.55,24.2 ; v2(22.65,69.336) R2.1@22.65,70.25 ; U1.122@23.9,39.725 23.9,38.07 24.4,37.57 C20.2@24.4,37.25 v2(24.4,36.336) ; v2(24.15,69.336) R5.1@24.15,70.25 ; v2(25.1,24.986) R14.1@25.1,25.9 ; U1.56@25.4,60.975 25.4,61.932 25.9,62.432 C16.2@25.9,63.25 v2(25.9,64.164) ; v2(25.65,69.336) R7.1@25.65,70.25 ; v2(26.7,24.986) R15.1@26.7,25.9 ; v2(28.65,69.336) R9.1@28.65,70.25 ; v2(30.4,36.336) C21.2@30.4,37.25 U1.135@30.4,39.725 ; v2(31.75,64.164) C15.2@31.75,63.25 31.9,63.1 U1.43@31.9,60.975 ; R4.1@33.15,71.65 v2(33.15,72.564) ; v2(35.65,21.486) D1.2@35.65,22.4 ; U1.5@36.775,43.6 38.086,43.6 38.586,43.1 C13.2@39.25,43.1 v2(40.164,43.1) ; U1.16@36.775,49.1 37.59,49.1 37.948,48.743 37.948,48.057 38.122,47.882 C14.2@38.938,47.882 v2(39.852,47.882) ; v2(40.869,51.74) 41.558,51.05 L1.1@41.75,51.05 ; R6.2@45.384,48.166 v2(46.298,48.166) ; R32.2@48.9,70.2 v2(48.9,71.114)
  Top Layer w0.5: C1.1@13.877,5.131 13.877,6.612 15.414,8.15 C2.1@16.8,8.15 22.076,8.15 23.141,7.085 X2.4@23.141,4.709 ; v3@74.562,50.95 C45.1@75.9,50.95 76.99,50.95 77.29,50.65 C43.2@78.4,50.65 79.073,50.65 79.233,50.81 U8.7@80.75,50.81 ; v3@77.062,26.55 C44.1@78.4,26.55 U9.16@80.73,26.55 ; v3@77.062,60.85 C40.1@78.4,60.85 79.24,60.85 79.39,61 U7.16@80.75,61 ; v3@77.128,47 C39.1@78.466,47 ; R27.1@77.368,72.887 R26.1@78.791,72.887 C32.2@78.791,74.204 ; v3@77.453,74.204 C32.2@78.791,74.204 ; C39.1@78.435,47.03 C39.1@78.466,47 ; U9.16@80.75,26.57 82.272,26.57 82.32,26.618 82.32,29.11 ; U9.14@80.75,29.11 82.32,29.11 ; U9.13@80.75,30.38 82.193,30.38 82.32,30.253 82.32,29.11 ; U6.1@80.75,47 C39.1@78.466,47 ; D6.6@81.375,73.46 80.362,73.46 79.619,74.204 C32.2@78.791,74.204
  other v3: 77.055,26.543 77.121,46.993 74.555,50.943 77.055,60.843 77.446,74.197
VFO: U1.84 X7.16 | length 28
  Top Layer w0.2: v1(14.021,53.34) 14.281,53.6 U1.84@15.525,53.6
  Bottom Layer w0.2: X7.16@14,27 14,53.319 v1(14.021,53.34)
XTAL: C26.1 R13.1 U1.73 Z2.1 | length 18.3
  Top Layer w0.3: Z2.1@8.487,70.739 9.1,70.126 9.1,66.059 9.5,65.659 11.811,65.659 ; R13.1@12.05,67.45 12.05,65.898 11.811,65.659 ; U1.73@15.525,59.1 14.611,59.1 14.402,59.309 14.402,63.068 11.811,65.659
ZCROSS: U1.60 X8.15 | length 48.8
  Top Layer w0.2: v1(19.609,58.242) 21.666,58.242 23.4,59.976 U1.60@23.4,60.975
  Bottom Layer w0.2: X8.15@3,27 3.116,27 4.564,28.448 5.867,28.448 9.195,31.775 9.195,34.595 8.382,35.408 8.382,51.41 8.89,51.918 8.89,52.347 10.238,53.696 11.811,53.696 17.348,59.233 18.263,59.233 19.253,58.242 v1(19.609,58.242)
pads on no net: D1.1 D6.3 Designator14.0 Designator15.0 Designator16.0 Designator17.0 FD1.0 FD1.1 FD2.0 FD2.1 U1.12 U1.13 U1.14 U1.15 U1.18 U1.29 U1.30 U1.46 U1.48 U1.54 U1.58 U1.59 U1.61 U1.78 U1.79 U1.81 U1.82 U1.85 U1.86 U1.88 U1.89 U1.90 U1.92 U1.120 U1.130 U1.136 U1.139 U3.7 U3.8 U3.9 U3.10 U4.3 U4.6 U4.7 U4.10 U4.11 U4.12 U5.3 U5.6 U5.7 U5.10 U5.11 U5.12 U6.7 U6.10 U7.7 U7.10 U8.1 U8.10 U8.14 U8.15 X4.1 X4.4 X4.6 X4.7 X4.8 X4.9 X12.4 Z1.2 Z1.3

## Polygon pours and split planes (outlines as drawn)
DGND on Top Layer "Top" (solid, remove dead copper, pour order 2): 3.898,85.432 5.398,83.932 5.398,74.432 3.898,72.932 0.398,72.932 0.398,85.432
DGND on Bottom Layer "Bot" (solid, remove dead copper, pour order 4): 0.398,85.432 3.898,85.432 5.398,83.932 5.398,74.432 5.398,74.42 3.911,72.932 3.898,72.932 0.398,72.932
VDDC on Internal Plane 2 (split plane): 83.998,25.122 83.878,25.002 79.5,25.002 79.332,24.993 79.166,24.965 79.004,24.918 78.848,24.854 78.701,24.772 78.563,24.675 78.438,24.562 76.878,23.002 46.5,23.002 46.332,22.993 46.166,22.965 46.004,22.918 45.848,22.854 45.701,22.772 45.563,22.675 45.438,22.562 43.938,21.062 43.825,20.937 43.728,20.799 43.646,20.652 43.582,20.496 43.535,20.334 43.507,20.168 43.498,20 43.498,0.51 0.51,0.51 0.51,85.49 83.998,85.49
IV5V on Internal Plane 2 (split plane): 113.49,0.51 46.502,0.51 46.502,19.378 47.122,19.998 77.5,19.998 77.668,20.007 77.834,20.035 77.996,20.082 78.152,20.146 78.299,20.228 78.437,20.325 78.562,20.438 80.122,21.998 84.5,21.998 84.668,22.007 84.834,22.035 84.996,22.082 85.152,22.146 85.299,22.228 85.437,22.325 85.562,22.438 86.562,23.438 86.675,23.563 86.772,23.701 86.854,23.848 86.918,24.004 86.965,24.166 86.993,24.332 87.002,24.5 87.002,85.49 113.49,85.49
DGND on Internal Plane 1 (split plane): 83.998,25.122 83.878,25.002 79.5,25.002 79.332,24.993 79.166,24.965 79.004,24.918 78.848,24.854 78.701,24.772 78.563,24.675 78.438,24.562 76.878,23.002 46.5,23.002 46.332,22.993 46.166,22.965 46.004,22.918 45.848,22.854 45.701,22.772 45.563,22.675 45.438,22.562 43.938,21.062 43.825,20.937 43.728,20.799 43.646,20.652 43.582,20.496 43.535,20.334 43.507,20.168 43.498,20 43.498,0.51 0.51,0.51 0.51,85.49 83.998,85.49
IGND on Internal Plane 1 (split plane): 113.49,0.51 46.502,0.51 46.502,19.378 47.122,19.998 77.5,19.998 77.668,20.007 77.834,20.035 77.996,20.082 78.152,20.146 78.299,20.228 78.437,20.325 78.562,20.438 80.122,21.998 84.5,21.998 84.668,22.007 84.834,22.035 84.996,22.082 85.152,22.146 85.299,22.228 85.437,22.325 85.562,22.438 86.562,23.438 86.675,23.563 86.772,23.701 86.854,23.848 86.918,24.004 86.965,24.166 86.993,24.332 87.002,24.5 87.002,85.49 113.49,85.49

## Other copper
Internal Plane 1 (plane layer: these items are gaps in the copper):
  lines w3: 45,0 45,20 46.5,21.5 77.5,21.5 79.5,23.5 84.5,23.5 85.5,24.5 85.5,85.5
Internal Plane 2 (plane layer: these items are gaps in the copper):
  lines w3: 45,0 45,20 46.5,21.5 77.5,21.5 79.5,23.5 84.5,23.5 85.5,24.5 85.5,85.5

## Silkscreen, mask and mechanical layers (free items; w line width, h text height)
Top Overlay:
  region: 102.8,21.1 101.8,22.1 101.8,20.1
  region: 102.8,33.6 101.8,34.6 101.8,32.6
  region: 102.8,46 101.8,47 101.8,45
  region: 102.8,78.2 101.8,79.2 101.8,77.2
  region: 102.8,69.1 101.8,70.1 101.8,68.1
  lines w0.15: 0,81.575 0.025,81.55 ; 1.194,27 2.108,27 ; 1.397,23.673 1.397,24.613 1.829,25.044 1.854,25.07 2.235,25.07 ; 1.803,20.955 1.803,22.86 1.956,23.012 2.159,23.012
  text "JTAG" at 26.2,83.4 h1.52 r270
  text "Reset" at 37.1,82.9 h1.52 r270
  text "STO" at 101.6,75.514 h1.52 r270
  text "Control PCB v1.0" at 1.143,72.339 h6 r270
  text "Tacho" at 101.6,62 h1.52 r270
  text "CAN" at 101.6,43.8 h1.52 r270
  text "CAN" at 101.6,31.4 h1.52 r270
  text "SDA" at 5.8,26.7 h0.7
  text "V15V" at 8.7,26.7 h0.7
  text "VFO" at 14.9,26.6 h0.7
  text "SCL" at 5.8,24.7 h0.7
  text "V5V" at 9.1,24.7 h0.7
  text "PWM_OE" at 14.9,24.7 h0.7
  text "ZCROSS" at 0.965,23.901 h0.65 r90
  text "V_U" at 5.8,22.7 h0.7
  text "T0C5" at 14.9,22.7 h0.7
  text "TOS1" at 1.448,21.107 h0.7 r90
  text "V_V" at 5.8,20.7 h0.7
  text "T0C4" at 14.9,20.7 h0.7
  text "+" at 42,18.8 h1.52
  text "V_W" at 5.8,18.7 h0.7
  text "T0C3" at 14.9,18.7 h0.7
  text "VDDC" at 2.032,18.212 h0.7 r90
  text "I_W" at 5.8,16.7 h0.7
  text "T0C2" at 14.9,16.7 h0.7
  text "I_V" at 5.8,14.7 h0.7
  text "T0C1" at 14.9,14.7 h0.7
  text "Misc. IO" at 101.6,14.5 h1.52 r270
  text "I_U" at 5.8,12.7 h0.7
  text "T0C0" at 14.9,12.7 h0.7
Top Solder:
  region: 0.305,85.522 3.905,85.522 5.505,83.922 5.505,74.422 3.905,72.822 0.305,72.822
Bottom Solder:
  region: 0.308,85.522 3.908,85.522 5.508,83.922 5.508,74.422 3.908,72.822 0.308,72.822
Mechanical 1:
  the board outline again, w0.15

## Text inside footprints (layer, text, board x,y; h text height)
SW1: Top Overlay "ON" at 28.879,32.082 h0.6
X1: Top Overlay "10" at 32.07,79.568 h0.6; Top Overlay "2" at 24.45,79.568 h0.6; Top Overlay "9" at 32.324,72.202 h0.6; Top Overlay "1" at 24.45,72.202 h0.6
X4: Top Overlay "1" at 58.527,3.07 h1.5 r180; Top Overlay "5" at 70.059,3.095 h1.5 r180; Top Overlay "6" at 60.305,10.715 h1.5 r180; Top Overlay "9" at 68.56,10.766 h1.5 r180
X7: Bottom Overlay "1" at 9.1,12.875 h0.6 r270; Bottom Overlay "15" at 9.025,26.625 h0.6 r270; Bottom Overlay "2" at 16.4,12.825 h0.6 r270; Bottom Overlay "16" at 16.35,26.4 h0.6 r270
X8: Bottom Overlay "1" at 0.1,12.875 h0.6 r270; Bottom Overlay "15" at 0.025,26.625 h0.6 r270; Bottom Overlay "2" at 7.4,12.825 h0.6 r270; Bottom Overlay "16" at 7.35,26.4 h0.6 r270